# Altium PCB Mutiple.PcbDoc (part 2 of 3)
Units mil, origin at the board's own origin, x right, y up, seen from the top; angles counter-clockwise.
Board outline 6720 x 5120 mil, 2 copper layers (Top Layer, Bottom Layer); 565 components, 296 nets, 1281 pads, 171 vias.
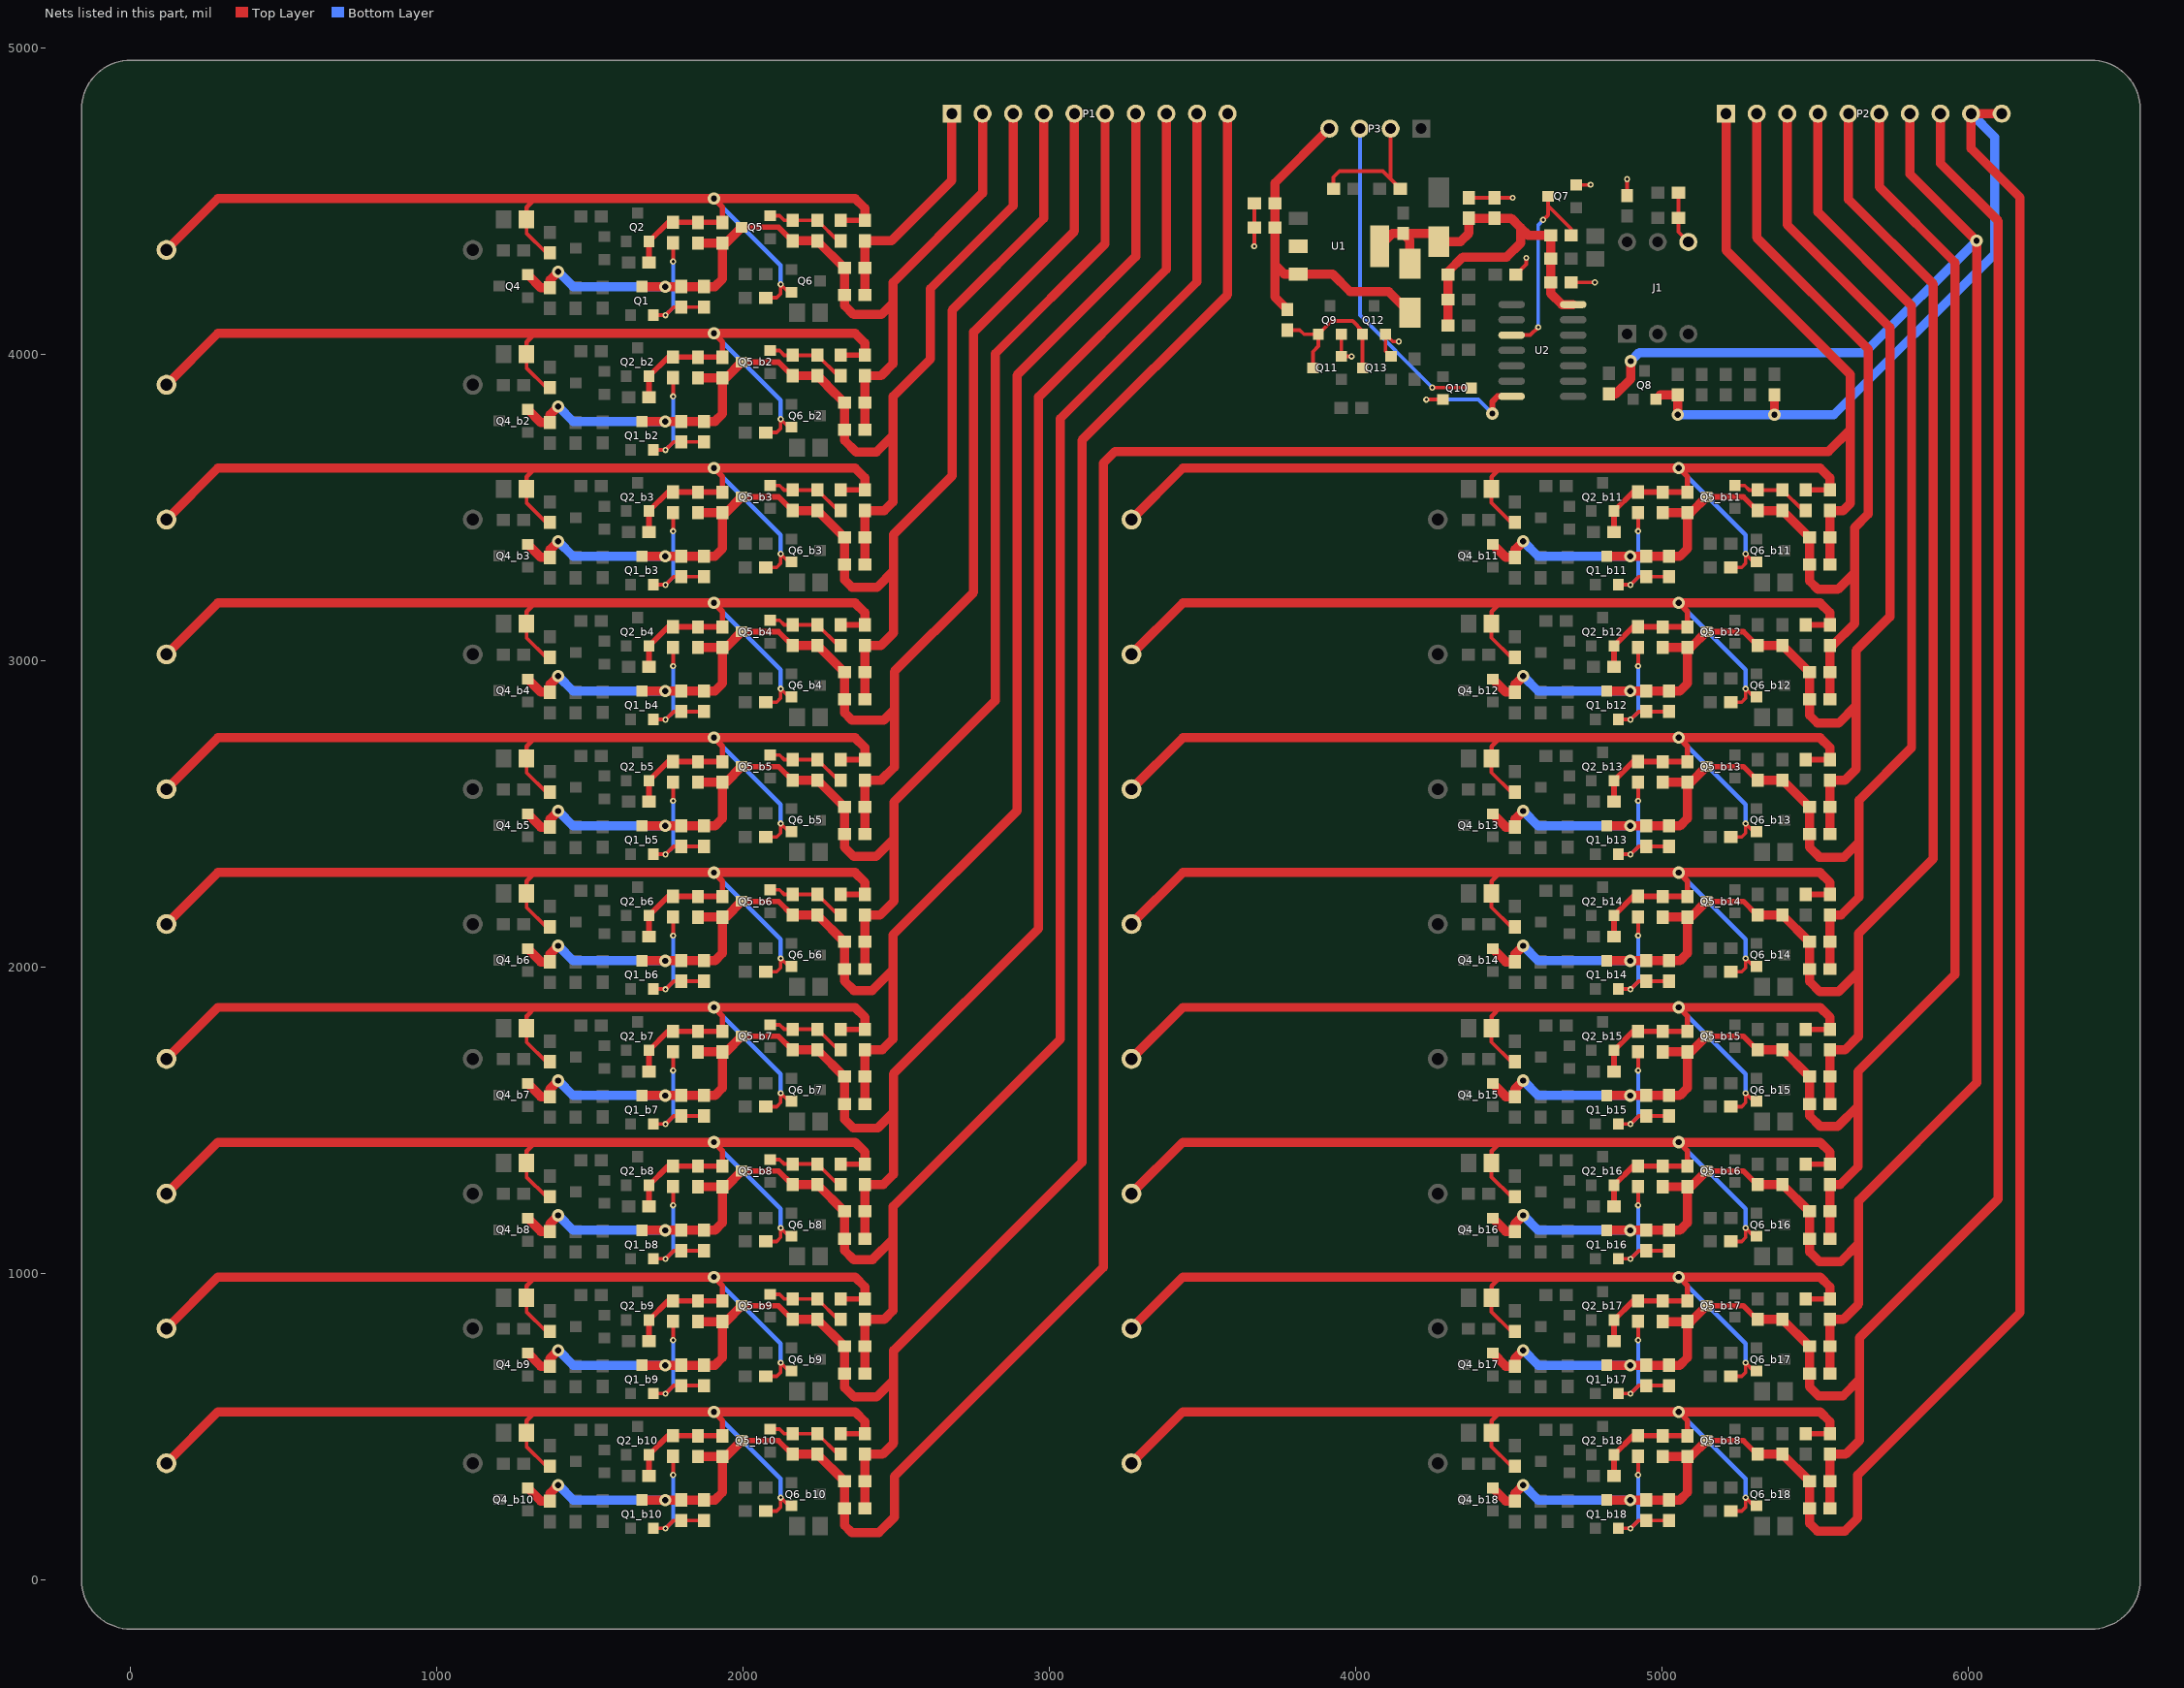
[diagram p2: the nets of this part, all layers, seen from the top]

## Footprints (in the part's own frame and the unit in brackets; to place one, negate y for a bottom-side part, rotate by r counter-clockwise, add the part's x,y. Pads: shape width x height; smd on the part's side, far side on the other; paste and mask are expansions set on the pad) (continued)
D-SMA [mm] "贴片二极管"
  rect 2.5x1.75 smd: 1(-2.032,0) 2(2.032,0)
  silkscreen extent -2.29,-1.4 3.68,1.4
DIP-6 [mm]
  rect 1.5x1.5 hole 0.9: 1(-3.81,2.54)
  round 1.5 hole 0.9: 2(-3.81,0) 3(-3.81,-2.54) 4(3.81,-2.54) 5(3.81,0) 6(3.81,2.54)
  silkscreen extent -3.93,-3.94 2.65,3.96, body extent -3.6,-3.94 3.6,3.88, height 5.08
HDR10X1-2.54 [mm]
  rect 1.5x1.5 hole 0.9: 1(-12.7,0)
  round 1.5 hole 0.9: 2(-10.16,0) 3(-7.62,0) 4(-5.08,0) 5(-2.54,0) 6(0,0) 7(2.54,0) 8(5.08,0) 9(7.62,0) 10(10.16,0)
  silkscreen extent -13.97,-1.27 11.43,1.27
LED-0805 [mm] "贴片LED"
  rect 1.3x1.5 smd: 1(-0.95,0) 2(0.95,0)
  silkscreen extent 1.91,-0.63 1.91,0.64
SOIC-14 [mm] "SOP, 14-Leads,"
  oval 2.2x0.6 smd: 1(-2.552,3.81) 2(-2.552,2.54) 3(-2.552,1.27) 4(-2.552,0) 5(-2.552,-1.27) 6(-2.552,-2.54) 7(-2.552,-3.81) 8(2.552,-3.81) 9(2.552,-2.54) 10(2.552,-1.27) 11(2.552,0) 12(2.552,1.27) 13(2.552,2.54) 14(2.552,3.81)
  silkscreen extent -2.55,-4.3 0.93,4.78, body extent -3,-4.35 2.99,4.35, height 1.55
SOT23-3 [mm]
  rect 0.9x0.95 smd: 1(-0.95,-1.175) 2(0.95,-1.175) 3(0,1.175)
  silkscreen extent -2.03,-1.14 1.3,1.18, body extent -1.45,-1.4 1.45,1.4, height 1.2
SOT223 [mm]
  rect 1.1x1.55 smd: 1(-2.3,-3.375) 2(0,-3.375) 3(2.3,-3.375)
  rect 3.45x1.55 smd: 4(0,3.375)
  silkscreen extent -3.5,-3.48 3.35,1.85, body extent -3.25,-3.48 3.25,3.48, height 1.7
XH2.54-4P [mm] "XH2.54端子直针"
  rect 1.5x1.5 hole 0.9: 1(-3.81,0)
  round 1.5 hole 0.9: 2(-1.27,0) 3(1.27,0) 4(3.81,0)
  silkscreen extent -6.35,-3.68 6.35,2.29, body extent -6.22,-3.49 6.22,2.22, height 1.5

## Part data
C1 C1_b2 C1_b3 C1_b4 C1_b5 C1_b6 C1_b7 C1_b8 C1_b9 C1_b10 C1_b11 C1_b12 C1_b13 C1_b14 C1_b15 C1_b16 C1_b17 C1_b18 C2 C2_b2 C2_b3 C2_b4 C2_b5 C2_b6 C2_b7 C2_b8 C2_b9 C2_b10 C2_b11 C2_b12 C2_b13 C2_b14 C2_b15 C2_b16 C2_b17 C2_b18 C3 C3_b2 C3_b3 C3_b4 C3_b5 C3_b6 C3_b7 C3_b8 C3_b9 C3_b10 C3_b11 C3_b12 C3_b13 C3_b14 C3_b15 C3_b16 C3_b17 C3_b18 C4 C4_b2 C4_b3 C4_b4 C4_b5 C4_b6 C4_b7 C4_b8 C4_b9 C4_b10 C4_b11 C4_b12 C4_b13 C4_b14 C4_b15 C4_b16 C4_b17 C4_b18 C5 C5_b2 C5_b3 C5_b4 C5_b5 C5_b6 C5_b7 C5_b8 C5_b9 C5_b10 C5_b11 C5_b12 C5_b13 C5_b14 C5_b15 C5_b16 C5_b17 C5_b18 C6 C6_b2 C6_b3 C6_b4 C6_b5 C6_b6 C6_b7 C6_b8 C6_b9 C6_b10 C6_b11 C6_b12 C6_b13 C6_b14 C6_b15 C6_b16 C6_b17 C6_b18 C7 C8 C9 C10 C11 C12 C13 C14 C15 C16: "贴片瓷片电容"
D1 D1_b2 D1_b3 D1_b4 D1_b5 D1_b6 D1_b7 D1_b8 D1_b9 D1_b10 D1_b11 D1_b12 D1_b13 D1_b14 D1_b15 D1_b16 D1_b17 D1_b18: "发光二极管"
D2 D2_b2 D2_b3 D2_b4 D2_b5 D2_b6 D2_b7 D2_b8 D2_b9 D2_b10 D2_b11 D2_b12 D2_b13 D2_b14 D2_b15 D2_b16 D2_b17 D2_b18 D3 D4 D5: library part Diode-R, "整流二极管"
J1: "光电耦合器"
L1 L1_b2 L1_b3 L1_b4 L1_b5 L1_b6 L1_b7 L1_b8 L1_b9 L1_b10 L1_b11 L1_b12 L1_b13 L1_b14 L1_b15 L1_b16 L1_b17 L1_b18: "电感"
P1 P2 P3: "接插件"
Q1 Q1_b2 Q1_b3 Q1_b4 Q1_b5 Q1_b6 Q1_b7 Q1_b8 Q1_b9 Q1_b10 Q1_b11 Q1_b12 Q1_b13 Q1_b14 Q1_b15 Q1_b16 Q1_b17 Q1_b18 Q5 Q5_b2 Q5_b3 Q5_b4 Q5_b5 Q5_b6 Q5_b7 Q5_b8 Q5_b9 Q5_b10 Q5_b11 Q5_b12 Q5_b13 Q5_b14 Q5_b15 Q5_b16 Q5_b17 Q5_b18: "可控精密稳压源"
Q2 Q2_b2 Q2_b3 Q2_b4 Q2_b5 Q2_b6 Q2_b7 Q2_b8 Q2_b9 Q2_b10 Q2_b11 Q2_b12 Q2_b13 Q2_b14 Q2_b15 Q2_b16 Q2_b17 Q2_b18 Q3 Q3_b2 Q3_b3 Q3_b4 Q3_b5 Q3_b6 Q3_b7 Q3_b8 Q3_b9 Q3_b10 Q3_b11 Q3_b12 Q3_b13 Q3_b14 Q3_b15 Q3_b16 Q3_b17 Q3_b18 Q6 Q6_b2 Q6_b3 Q6_b4 Q6_b5 Q6_b6 Q6_b7 Q6_b8 Q6_b9 Q6_b10 Q6_b11 Q6_b12 Q6_b13 Q6_b14 Q6_b15 Q6_b16 Q6_b17 Q6_b18: library part PNP1, "贴片三极管"
Q4 Q4_b2 Q4_b3 Q4_b4 Q4_b5 Q4_b6 Q4_b7 Q4_b8 Q4_b9 Q4_b10 Q4_b11 Q4_b12 Q4_b13 Q4_b14 Q4_b15 Q4_b16 Q4_b17 Q4_b18: library part MOSFET-N1, "MOSFET"
Q7 Q8 Q9 Q10 Q11 Q12 Q13: library part NPN1, "贴片三极管"
R1 R1_b2 R1_b3 R1_b4 R1_b5 R1_b6 R1_b7 R1_b8 R1_b9 R1_b10 R1_b11 R1_b12 R1_b13 R1_b14 R1_b15 R1_b16 R1_b17 R1_b18 R2 R2_b2 R2_b3 R2_b4 R2_b5 R2_b6 R2_b7 R2_b8 R2_b9 R2_b10 R2_b11 R2_b12 R2_b13 R2_b14 R2_b15 R2_b16 R2_b17 R2_b18 R3 R3_b2 R3_b3 R3_b4 R3_b5 R3_b6 R3_b7 R3_b8 R3_b9 R3_b10 R3_b11 R3_b12 R3_b13 R3_b14 R3_b15 R3_b16 R3_b17 R3_b18 R4 R4_b2 R4_b3 R4_b4 R4_b5 R4_b6 R4_b7 R4_b8 R4_b9 R4_b10 R4_b11 R4_b12 R4_b13 R4_b14 R4_b15 R4_b16 R4_b17 R4_b18 R5 R5_b2 R5_b3 R5_b4 R5_b5 R5_b6 R5_b7 R5_b8 R5_b9 R5_b10 R5_b11 R5_b12 R5_b13 R5_b14 R5_b15 R5_b16 R5_b17 R5_b18 R6 R6_b2 R6_b3 R6_b4 R6_b5 R6_b6 R6_b7 R6_b8 R6_b9 R6_b10 R6_b11 R6_b12 R6_b13 R6_b14 R6_b15 R6_b16 R6_b17 R6_b18 R7 R7_b2 R7_b3 R7_b4 R7_b5 R7_b6 R7_b7 R7_b8 R7_b9 R7_b10 R7_b11 R7_b12 R7_b13 R7_b14 R7_b15 R7_b16 R7_b17 R7_b18 R8 R8_b2 R8_b3 R8_b4 R8_b5 R8_b6 R8_b7 R8_b8 R8_b9 R8_b10 R8_b11 R8_b12 R8_b13 R8_b14 R8_b15 R8_b16 R8_b17 R8_b18 R9 R9_b2 R9_b3 R9_b4 R9_b5 R9_b6 R9_b7 R9_b8 R9_b9 R9_b10 R9_b11 R9_b12 R9_b13 R9_b14 R9_b15 R9_b16 R9_b17 R9_b18 R10 R10_b2 R10_b3 R10_b4 R10_b5 R10_b6 R10_b7 R10_b8 R10_b9 R10_b10 R10_b11 R10_b12 R10_b13 R10_b14 R10_b15 R10_b16 R10_b17 R10_b18 R11 R11_b2 R11_b3 R11_b4 R11_b5 R11_b6 R11_b7 R11_b8 R11_b9 R11_b10 R11_b11 R11_b12 R11_b13 R11_b14 R11_b15 R11_b16 R11_b17 R11_b18 R12 R12_b2 R12_b3 R12_b4 R12_b5 R12_b6 R12_b7 R12_b8 R12_b9 R12_b10 R12_b11 R12_b12 R12_b13 R12_b14 R12_b15 R12_b16 R12_b17 R12_b18 R13 R13_b2 R13_b3 R13_b4 R13_b5 R13_b6 R13_b7 R13_b8 R13_b9 R13_b10 R13_b11 R13_b12 R13_b13 R13_b14 R13_b15 R13_b16 R13_b17 R13_b18 R14 R14_b2 R14_b3 R14_b4 R14_b5 R14_b6 R14_b7 R14_b8 R14_b9 R14_b10 R14_b11 R14_b12 R14_b13 R14_b14 R14_b15 R14_b16 R14_b17 R14_b18 R15 R16 R17 R18 R19 R20 R21 R22 R23 R24 R25 R26 R27 R28 R29 R30 R31: "贴片电阻"
U1: "稳压芯片"
U2: "单输入端双D触发器"

## Via types
v1: diameter 20, hole 10, Top Layer to Bottom Layer, 107 vias
v2: diameter 40, hole 20, Top Layer to Bottom Layer, 60 vias
v3: diameter 125.98, hole 125.98, Top Layer to Bottom Layer, 4 vias

## Nets (pads, with @x,y where several pads share a name; then routed paths per layer and width w, separated by ;. In a path a pad name is that pad's centre, name@x,y a point inside that pad or via, vN(x,y) a via of type N, cw(c..) or ccw(c..) an arc to the next point about the centre after c; other vN are vias at no path point)
5V: C9.2 C10.2 C14.1 D4.2 D5.1 R15.2 R18.2 R19.1 R21.2 R26.2 R27.2 U1.2 U1.4 U2.14 | length 1556.5
  Top Layer w30: U1.4@4076.87,4353 4118.41,4394.54 R19.1@4154,4394.54 ; D5.1@4176,4296 4176,4372.54 R19.1@4154,4394.54 ; R27.2@4300.54,4095 R26.2@4300.54,4179 R21.2@4300.54,4260 4300.54,4269.76 4348.77,4318 4492,4318 4537,4363 4537,4414 ; C9.2@4452,4444.46 4506.54,4444.46 4537,4414 ; C9.2@4452,4444.54 C10.2@4369,4444.54 4369,4396 4341,4368 D4.2@4270,4368 4243.46,4394.54 R19.1@4154,4394.54 ; U2.14@4708.94,4163 4672,4163 4635.54,4199.46 R18.2@4635.54,4312 R15.2@4635.54,4389 4562,4389 4537,4414
12V: C7.2 C8.2 D5.2 P3.4 R28.1 U1.3 | length 1186.9
  Top Layer w30: R28.1@3776.46,4146.93 R28.1@3776,4146.46 3735.46,4187 3735.46,4292.54 ; P3.4@3913,4737 3735.46,4559.46 C7.2@3735.46,4493 C8.2@3735.46,4414 3735.46,4292.54 ; D5.2@4176,4136 4107,4205 3981,4205 3923.55,4262.45 U1.3@3811.13,4262.45 3765.55,4262.45 3735.46,4292.54
ALARM: P3.3 Q10.3 | length 1070.8
  Top Layer w12: v1(4249,3892) 4374.26,3892 Q10.3@4376.26,3890
  Bottom Layer w12: P3.3@4013,4737 4013,4128 v1(4249,3892)
B1: Q9.1 Q11.3 Q12.1 Q13.3 R28.2 | length 520.3
  Top Layer w12: R28.2@3776,4079.54 3816.46,4079.54 3830.26,4065.74 Q9.1@3877.6,4065.74 ; Q11.3@3859.74,3956 3859.74,4008.74 3877.6,4026.6 Q9.1@3877.6,4065.74 ; Q13.3@4021.74,3956 4021.6,3956.14 Q12.1@4021.6,4065.74 4021.6,4076.4 3989,4109 3920.86,4109 Q9.1@3877.6,4065.74
C-: C7.1 C8.1 C9.1 C10.1 C11.1 C12.1 C13.1 C14.2 C15.2 J1.4 P3.2 Q7.2 Q9.2 Q10.2 Q11.2 Q12.2 Q13.2 R17.2 R20.2 U2.7 | length 1794.6
  Top Layer w12: v1(3668,4353) 3668.54,4352.46 C8.1@3668.54,4414 C7.1@3668.54,4493 ; C12.1@3926.54,4541 3926.54,4578.54 3946,4598 4087.46,4598 4113,4572.46 ; Q11.2@3952.26,3993.4 v1(3985.6,3993.4) ; Q11.2@3952.4,3993.54 Q9.2@3952.4,4065.74 ; P3.2@4113,4737 4113,4572.46 ; Q13.2@4114.26,3993.4 4096.4,4011.26 Q12.2@4096.4,4065.74 4120.14,4042 v1(4140,4042) ; R20.2@4144.46,4541 4113,4572.46 ; v1(4229.6,3852.6) Q10.2@4283.74,3852.6 ; C10.1@4369,4511.46 C9.1@4452,4511.46 v1(4511.46,4511.46) ; C13.1@4521.46,4260 4556,4294.54 v1(4556,4315) ; C14.2@4702.46,4235 v1(4780,4235) ; Q7.2@4719.26,4553.4 4766.6,4553.4 v1(4766,4554) ; R17.2@4885,4518.46 v1(4885,4572) ; C15.2@5052.46,4528 C11.1@5052.46,4446 5052.46,4399.54 J1.4@5085,4367
  Top Layer w20: v2(4445,3807) 4445,3846 4462,3863 U2.7@4508,3863
  Bottom Layer w12: v1(4229.6,3852.6) 4399.4,3852.6 v2(4445,3807)
EDGE: Q7.3 R15.1 U2.3 | length 665.5
  Top Layer w12: U2.3@4508,4063 4569,4063 v1(4595,4089) ; v1(4611,4439) 4626.74,4454.74 4626.74,4485.26 ; Q7.3@4626.74,4516 4626.74,4485.26 ; R15.1@4702.46,4389 4702.46,4409.54 4626.74,4485.26
  Bottom Layer w12: v1(4595,4089) 4595,4423 v1(4611,4439)
IN_A0: C1.2 C2.2 L1.1 P1.1 | length 759.9
  Top Layer w30: C1.2@2397,4194.46 L1.1@2397,4370.54 2483.54,4370.54 2681,4568 P1.1@2681,4786
IN_A1: C1.1 C1_b2.2 C2.1 C2_b2.2 C3.1 C4.1 C5.1 C6.1 L1_b2.1 P1.2 Q1.3 Q4.2 Q5.3 R2.1 R8.1 R12.1 | length 3077.4
  Top Layer w18: Q1.3@1669,4221.26 v2@1745,4221.26 ; Q5.3@1994.74,4415 2115.26,4415 2159.72,4370.54 C6.1@2161,4370.54
  Top Layer w30: Q4.2@1296.26,4260.4 1339.2,4217.46 R8.1@1369,4217.46 1369,4243 v2(1396,4270) ; Q1.3@1669,4221.26 1669.2,4221.46 C5.1@1798,4221.46 1798.2,4221.26 1907.33,4221.26 1932,4245.93 C3.1@1932,4363.54 ; C4.1@1852,4363.54 C3.1@1932,4363.54 ; Q5.3@1994.74,4415 1943.28,4363.54 C3.1@1932,4363.54 ; C6.1@2161,4370.54 R12.1@2242,4370.54 2242,4369.84 2328.84,4283 C2.1@2330.54,4283 C1.1@2330.54,4194 2330.54,4159.46 2360,4130 2451,4130 2489,4168 ; C1_b2.2@2397,3754.46 L1_b2.1@2397,3930.54 2449.54,3930.54 2489,3970 2489,4168 ; P1.2@2781,4786 2781,4526.58 2489,4234.58 2489,4168
  Bottom Layer w18: v2@1740,4221.26 1745.26,4221.26 v2(1745,4221)
  Bottom Layer w30: v2(1396,4270) 1444.74,4221.26 1739.74,4221.26 v2@1740,4221
IN_A2: C1_b2.1 C1_b3.2 C2_b2.1 C2_b3.2 C3_b2.1 C4_b2.1 C5_b2.1 C6_b2.1 L1_b3.1 P1.3 Q1_b2.3 Q4_b2.2 Q5_b2.3 R2_b2.1 R8_b2.1 R12_b2.1 | length 3499.5
  Top Layer w18: Q5_b2.3@1994.74,3975 2115.26,3975 2159.72,3930.54 C6_b2.1@2161,3930.54
  Top Layer w30: Q4_b2.2@1296.26,3820.4 1339.2,3777.46 R8_b2.1@1369,3777.46 1369,3803 v2(1396,3830) ; Q1_b2.3@1669,3781.26 1745,3781.26 1745.2,3781.46 C5_b2.1@1798,3781.46 R2_b2.1@1872,3781.46 1907.54,3781.46 1932,3805.93 C3_b2.1@1932,3923.54 ; C4_b2.1@1852,3923.54 C3_b2.1@1932,3923.54 ; Q5_b2.3@1994.74,3975 1943.28,3923.54 C3_b2.1@1932,3923.54 ; C6_b2.1@2161,3930.54 R12_b2.1@2242,3930.54 2243,3930.54 2273.31,3900.22 2273.31,3898.53 2328.84,3843 C2_b2.1@2330.54,3843 C1_b2.1@2330.54,3754 2330.54,3719.46 2368,3682 2435,3682 2489,3736 ; C1_b3.2@2397,3314.46 L1_b3.1@2397,3490.54 2460.54,3490.54 2489,3519 2489,3736 ; P1.3@2881,4786 2881,4485.16 2610.42,4214.58 2610.42,3984.42 2489,3863 2489,3736
  Bottom Layer w30: v2(1396,3830) 1444.74,3781.26 1745.26,3781.26 v2(1745,3781)
IN_A3: C1_b3.1 C1_b4.2 C2_b3.1 C2_b4.2 C3_b3.1 C4_b3.1 C5_b3.1 C6_b3.1 L1_b4.1 P1.4 Q1_b3.3 Q4_b3.2 Q5_b3.3 R2_b3.1 R8_b3.1 R12_b3.1 | length 3985.1
  Top Layer w15: C3_b3.1@1932,3483.54 C3_b3.1@1943.28,3483.54
  Top Layer w18: Q5_b3.3@1994.74,3535 2115.26,3535 2159.72,3490.54 C6_b3.1@2161,3490.54
  Top Layer w30: Q4_b3.2@1296.26,3380.4 1339.2,3337.46 R8_b3.1@1369,3337.46 1369,3363 v2(1396,3390) ; Q1_b3.3@1669,3341.26 1907.33,3341.26 1932,3365.93 C3_b3.1@1932,3483.54 C4_b3.1@1852,3483.54 ; C3_b3.1@1943.28,3483.54 Q5_b3.3@1994.74,3535 ; C6_b3.1@2161,3490.54 R12_b3.1@2242,3490.54 2329.54,3403 C2_b3.1@2330.54,3403 C1_b3.1@2330.54,3314 2330.54,3264.46 2355,3240 2437,3240 2491,3294 ; C1_b4.2@2397,2874.46 L1_b4.1@2397,3050.54 2449.54,3050.54 2491,3092 2491,3294 ; P1.4@2981,4786 2981,4443.74 2681.13,4143.87 2681.13,3603.13 2491,3413 2491,3294
  Bottom Layer w30: v2(1396,3390) 1444.74,3341.26 1745.26,3341.26 v2(1745,3341)
IN_A4: C1_b4.1 C1_b5.2 C2_b4.1 C2_b5.2 C3_b4.1 C4_b4.1 C5_b4.1 C6_b4.1 L1_b5.1 P1.5 Q1_b4.3 Q4_b4.2 Q5_b4.3 R2_b4.1 R8_b4.1 R12_b4.1 | length 4454.4
  Top Layer w18: Q5_b4.3@1994.74,3095 2115,3095 C6_b4.1@2159.46,3050.54
  Top Layer w30: Q4_b4.2@1296.26,2940.4 1339.2,2897.46 R8_b4.1@1369,2897.46 1369,2923 v2(1396,2950) ; Q1_b4.3@1669,2901.26 1907.33,2901.26 1932,2925.93 C3_b4.1@1932,3043.54 ; C4_b4.1@1852,3043.54 C3_b4.1@1932,3043.54 ; Q5_b4.3@1994.74,3095 1943.28,3043.54 C3_b4.1@1932,3043.54 ; C6_b4.1@2159.46,3050.54 C6_b4.1@2161,3050.54 R12_b4.1@2242,3050.54 2329.54,2963 C2_b4.1@2330.54,2963 C1_b4.1@2330.54,2874 2330.54,2830.46 2354,2807 2459,2807 2493,2841 ; C1_b5.2@2397,2434.46 L1_b5.1@2397,2610.54 2450.54,2610.54 2493,2653 2493,2841 ; P1.5@3081,4786 3081,4402.31 2751.84,4073.16 2751.84,3223.84 2493,2965 2493,2841
  Bottom Layer w30: v2(1396,2950) 1444.74,2901.26 1745.26,2901.26 v2(1745,2901)
IN_A5: C1_b5.1 C1_b6.2 C2_b5.1 C2_b6.2 C3_b5.1 C4_b5.1 C5_b5.1 C6_b5.1 L1_b6.1 P1.6 Q1_b5.3 Q4_b5.2 Q5_b5.3 R2_b5.1 R8_b5.1 R12_b5.1 | length 4943.9
  Top Layer w18: Q5_b5.3@1994.74,2655 2115,2655 C6_b5.1@2159.46,2610.54
  Top Layer w30: Q4_b5.2@1296.26,2500.4 1339.2,2457.46 R8_b5.1@1369,2457.46 1369,2483 v2(1396,2510) ; Q1_b5.3@1669,2461.26 1907.33,2461.26 1932,2485.93 C3_b5.1@1932,2603.54 ; C4_b5.1@1852,2603.54 C3_b5.1@1932,2603.54 ; Q5_b5.3@1994.74,2655 1943.28,2603.54 C3_b5.1@1932,2603.54 ; C6_b5.1@2159.46,2610.54 C6_b5.1@2161,2610.54 R12_b5.1@2242,2610.54 2329.54,2523 C2_b5.1@2330.54,2523 C1_b5.1@2330.54,2434 2330.54,2391.46 2360,2362 2434,2362 2492,2420 ; C1_b6.2@2397,1994.46 L1_b6.1@2397,2170.54 2446.54,2170.54 2492,2216 2492,2420 ; P1.6@3181,4786 3181,4360.89 2822.55,4002.45 2822.55,2870 2492,2539.45 2492,2420
  Bottom Layer w30: v2(1396,2510) 1444.74,2461.26 1745.26,2461.26 v2(1745,2461)
IN_A6: C1_b6.1 C1_b7.2 C2_b6.1 C2_b7.2 C3_b6.1 C4_b6.1 C5_b6.1 C6_b6.1 L1_b7.1 P1.7 Q1_b6.3 Q4_b6.2 Q5_b6.3 R2_b6.1 R8_b6.1 R12_b6.1 | length 5428
  Top Layer w18: Q5_b6.3@1994.74,2215 2115,2215 C6_b6.1@2159.46,2170.54
  Top Layer w30: Q4_b6.2@1296.26,2060.4 1339.2,2017.46 R8_b6.1@1369,2017.46 1369,2043 v2(1396,2070) ; Q1_b6.3@1669,2021.26 1907.33,2021.26 1932,2045.93 C3_b6.1@1932,2163.54 ; C4_b6.1@1852,2163.54 C3_b6.1@1932,2163.54 ; Q5_b6.3@1994.74,2215 1943.28,2163.54 C3_b6.1@1932,2163.54 ; C6_b6.1@2159.46,2170.54 C6_b6.1@2161,2170.54 R12_b6.1@2242,2170.54 2329.54,2083 C2_b6.1@2330.54,2083 C1_b6.1@2330.54,1994 2330.54,1954.46 2361,1924 2421,1924 2489,1992 ; C1_b7.2@2397,1554.46 L1_b7.1@2397,1730.54 2453.54,1730.54 2489,1766 2489,1992 ; P1.7@3281,4786 3281,4319.47 2893.26,3931.74 2893.26,2510.26 2489,2106 2489,1992
  Bottom Layer w30: v2(1396,2070) 1444.74,2021.26 1745.26,2021.26 v2(1745,2021)
IN_A7: C1_b7.1 C1_b8.2 C2_b7.1 C2_b8.2 C3_b7.1 C4_b7.1 C5_b7.1 C6_b7.1 L1_b8.1 P1.8 Q1_b7.3 Q4_b7.2 Q5_b7.3 R2_b7.1 R8_b7.1 R12_b7.1 | length 5915.3
  Top Layer w18: Q5_b7.3@1994.74,1775 2115,1775 C6_b7.1@2159.46,1730.54
  Top Layer w30: Q4_b7.2@1296.26,1620.4 1339.2,1577.46 R8_b7.1@1369,1577.46 1369,1603 v2(1396,1630) ; Q1_b7.3@1669,1581.26 1907.33,1581.26 1932,1605.93 C3_b7.1@1932,1723.54 ; C4_b7.1@1852,1723.54 C3_b7.1@1932,1723.54 ; Q5_b7.3@1994.74,1775 1943.28,1723.54 C3_b7.1@1932,1723.54 ; C6_b7.1@2159.46,1730.54 C6_b7.1@2161,1730.54 R12_b7.1@2242,1730.54 2329.54,1643 C2_b7.1@2330.54,1643 C1_b7.1@2330.54,1554 2330.54,1503.46 2359,1475 2439,1475 2490,1526 ; C1_b8.2@2397,1114.46 L1_b8.1@2397,1290.54 2456.54,1290.54 2490,1324 2490,1526 ; P1.8@3381,4786 3381,4278.05 2963.97,3861.03 2963.97,2125.97 2490,1652 2490,1526
  Bottom Layer w30: v2(1396,1630) 1444.74,1581.26 1745.26,1581.26 v2(1745,1581)
IN_A8: C1_b8.1 C1_b9.2 C2_b8.1 C2_b9.2 C3_b8.1 C4_b8.1 C5_b8.1 C6_b8.1 L1_b9.1 P1.9 Q1_b8.3 Q4_b8.2 Q5_b8.3 R2_b8.1 R8_b8.1 R12_b8.1 | length 6392.5
  Top Layer w18: Q5_b8.3@1994.74,1335 2115,1335 C6_b8.1@2159.46,1290.54
  Top Layer w30: Q4_b8.2@1296.26,1180.4 1339.2,1137.46 R8_b8.1@1369,1137.46 1369,1163 v2(1396,1190) ; Q1_b8.3@1669,1141.26 1907.33,1141.26 1932,1165.93 C3_b8.1@1932,1283.54 ; C4_b8.1@1852,1283.54 C3_b8.1@1932,1283.54 ; Q5_b8.3@1994.74,1335 1943.28,1283.54 C3_b8.1@1932,1283.54 ; C6_b8.1@2159.46,1290.54 C6_b8.1@2161,1290.54 R12_b8.1@2242,1290.54 2329.54,1203 C2_b8.1@2330.54,1203 C1_b8.1@2330.54,1114 2330.54,1075.46 2360,1046 2422,1046 2489,1113 ; C1_b9.2@2397,674.46 L1_b9.1@2397,850.54 2459.54,850.54 2489,880 2489,1113 ; P1.9@3481,4786 3481,4236.63 3034.69,3790.31 3034.69,1764.69 2489,1219 2489,1113
  Bottom Layer w30: v2(1396,1190) 1444.74,1141.26 1745.26,1141.26 v2(1745,1141)
IN_A9: C1_b9.1 C1_b10.2 C2_b9.1 C2_b10.2 C3_b9.1 C4_b9.1 C5_b9.1 C6_b9.1 L1_b10.1 P1.10 Q1_b9.3 Q4_b9.2 Q5_b9.3 R2_b9.1 R8_b9.1 R12_b9.1 | length 6876.3
  Top Layer w18: Q5_b9.3@1994.74,895 2115,895 C6_b9.1@2159.46,850.54
  Top Layer w30: Q4_b9.2@1296.26,740.4 1339.2,697.46 R8_b9.1@1369,697.46 1369,723 v2(1396,750) ; Q1_b9.3@1669,701.26 1907.33,701.26 1932,725.93 C3_b9.1@1932,843.54 ; C4_b9.1@1852,843.54 C3_b9.1@1932,843.54 ; Q5_b9.3@1994.74,895 1943.28,843.54 C3_b9.1@1932,843.54 ; C6_b9.1@2159.46,850.54 C6_b9.1@2161,850.54 R12_b9.1@2242,850.54 2329.54,763 C2_b9.1@2330.54,763 C1_b9.1@2330.54,674 2330.54,628.46 2362,597 2435,597 2491,653 ; C1_b10.2@2397,234.46 L1_b10.1@2397,410.54 2454.54,410.54 2491,447 2491,653 ; P1.10@3581,4786 3581,4195.21 3105.4,3719.6 3105.4,1363.4 2491,749 2491,653
  Bottom Layer w30: v2(1396,750) 1444.74,701.26 1745.26,701.26 v2(1745,701)
IN_A10: C1_b10.1 C1_b11.2 C2_b10.1 C2_b11.2 C3_b10.1 C4_b10.1 C5_b10.1 C6_b10.1 L1_b11.1 P2.1 Q1_b10.3 Q4_b10.2 Q5_b10.3 R2_b10.1 R8_b10.1 R12_b10.1 | length 9706.9
  Top Layer w18: Q5_b10.3@1994.74,455 2115,455 C6_b10.1@2159.46,410.54
  Top Layer w30: Q4_b10.2@1296.26,300.4 1339.2,257.46 R8_b10.1@1369,257.46 1369,283 v2(1396,310) ; Q1_b10.3@1669,261.26 1907.33,261.26 1932,285.93 C3_b10.1@1932,403.54 ; C4_b10.1@1852,403.54 C3_b10.1@1932,403.54 ; Q5_b10.3@1994.74,455 1943.28,403.54 C3_b10.1@1932,403.54 ; C6_b10.1@2159.46,410.54 C6_b10.1@2161,410.54 R12_b10.1@2242,410.54 2329.54,323 C2_b10.1@2330.54,323 C1_b10.1@2330.54,234 2330.54,178.46 2354,155 2443,155 2493,205 2493,338 3175,1020 3175,3645 3213,3683 5542,3683 5614,3755 ; P2.1@5208,4786 5208,4340.21 5614,3934.21 5614,3755 ; C1_b11.2@5547,3314.46 L1_b11.1@5547,3490.54 5590.54,3490.54 5614,3514 5614,3755
  Bottom Layer w30: v2(1396,310) 1444.74,261.26 1745.26,261.26 v2(1745,261)
IN_A11: C1_b11.1 C1_b12.2 C2_b11.1 C2_b12.2 C3_b11.1 C4_b11.1 C5_b11.1 C6_b11.1 L1_b12.1 P2.2 Q1_b11.3 Q4_b11.2 Q5_b11.3 R2_b11.1 R8_b11.1 R12_b11.1 | length 3913.8
  Top Layer w18: Q5_b11.3@5144.74,3535 5265,3535 C6_b11.1@5309.46,3490.54
  Top Layer w30: Q4_b11.2@4446.26,3380.4 4489.2,3337.46 R8_b11.1@4519,3337.46 4519,3363 v2(4546,3390) ; Q1_b11.3@4819,3341.26 5057.33,3341.26 5082,3365.93 C3_b11.1@5082,3483.54 ; C4_b11.1@5002,3483.54 C3_b11.1@5082,3483.54 ; Q5_b11.3@5144.74,3535 5093.28,3483.54 C3_b11.1@5082,3483.54 ; P2.2@5308,4786 5308,4381.63 5672.31,4017.31 5672.31,3479.31 5628.11,3435.11 5628.11,3288 ; C6_b11.1@5309.46,3490.54 C6_b11.1@5311,3490.54 R12_b11.1@5392,3490.54 5479.54,3403 C2_b11.1@5480.54,3403 C1_b11.1@5480.54,3314 5480.54,3260.46 5508,3233 5573.11,3233 5628.11,3288 ; C1_b12.2@5547,2874.46 L1_b12.1@5547,3050.54 5556.76,3050.54 5628.11,3121.89 5628.11,3288
  Bottom Layer w30: v2(4546,3390) 4594.74,3341.26 4895.26,3341.26 v2(4895,3341)
IN_A12: C1_b12.1 C1_b13.2 C2_b12.1 C2_b13.2 C3_b12.1 C4_b12.1 C5_b12.1 C6_b12.1 L1_b13.1 P2.3 Q1_b12.3 Q4_b12.2 Q5_b12.3 R2_b12.1 R8_b12.1 R12_b12.1 | length 4395.7
  Top Layer w18: Q5_b12.3@5144.74,3095 5265,3095 C6_b12.1@5309.46,3050.54
  Top Layer w30: Q4_b12.2@4446.26,2940.4 4489.2,2897.46 R8_b12.1@4519,2897.46 4519,2923 v2(4546,2950) ; Q1_b12.3@4819,2901.26 5057.33,2901.26 5082,2925.93 C3_b12.1@5082,3043.54 ; C4_b12.1@5002,3043.54 C3_b12.1@5082,3043.54 ; Q5_b12.3@5144.74,3095 5093.28,3043.54 C3_b12.1@5082,3043.54 ; C6_b12.1@5309.46,3050.54 C6_b12.1@5311,3050.54 R12_b12.1@5392,3050.54 5479.54,2963 C2_b12.1@5480.54,2963 C1_b12.1@5480.54,2874 5480.54,2822.46 5506,2797 5576,2797 5632,2853 ; P2.3@5408,4786 5408,4423.05 5743.03,4088.03 5743.03,3144.03 5632,3033 5632,2853 ; C1_b13.2@5547,2434.46 L1_b13.1@5547,2610.54 5596.54,2610.54 5632,2646 5632,2853